# Altium PCB 1VAR_TOP.PcbDoc (part 1 of 4)
Units mm, origin at the board's own origin, x right, y up, seen from the top; angles counter-clockwise.
Board outline 200 x 140 mm, 5 copper layers (Top Layer, gnd, Case, PITANIE, Bottom Layer), stack 2.01 mm thick; 379 components, 284 nets, 1711 pads, 392 vias.
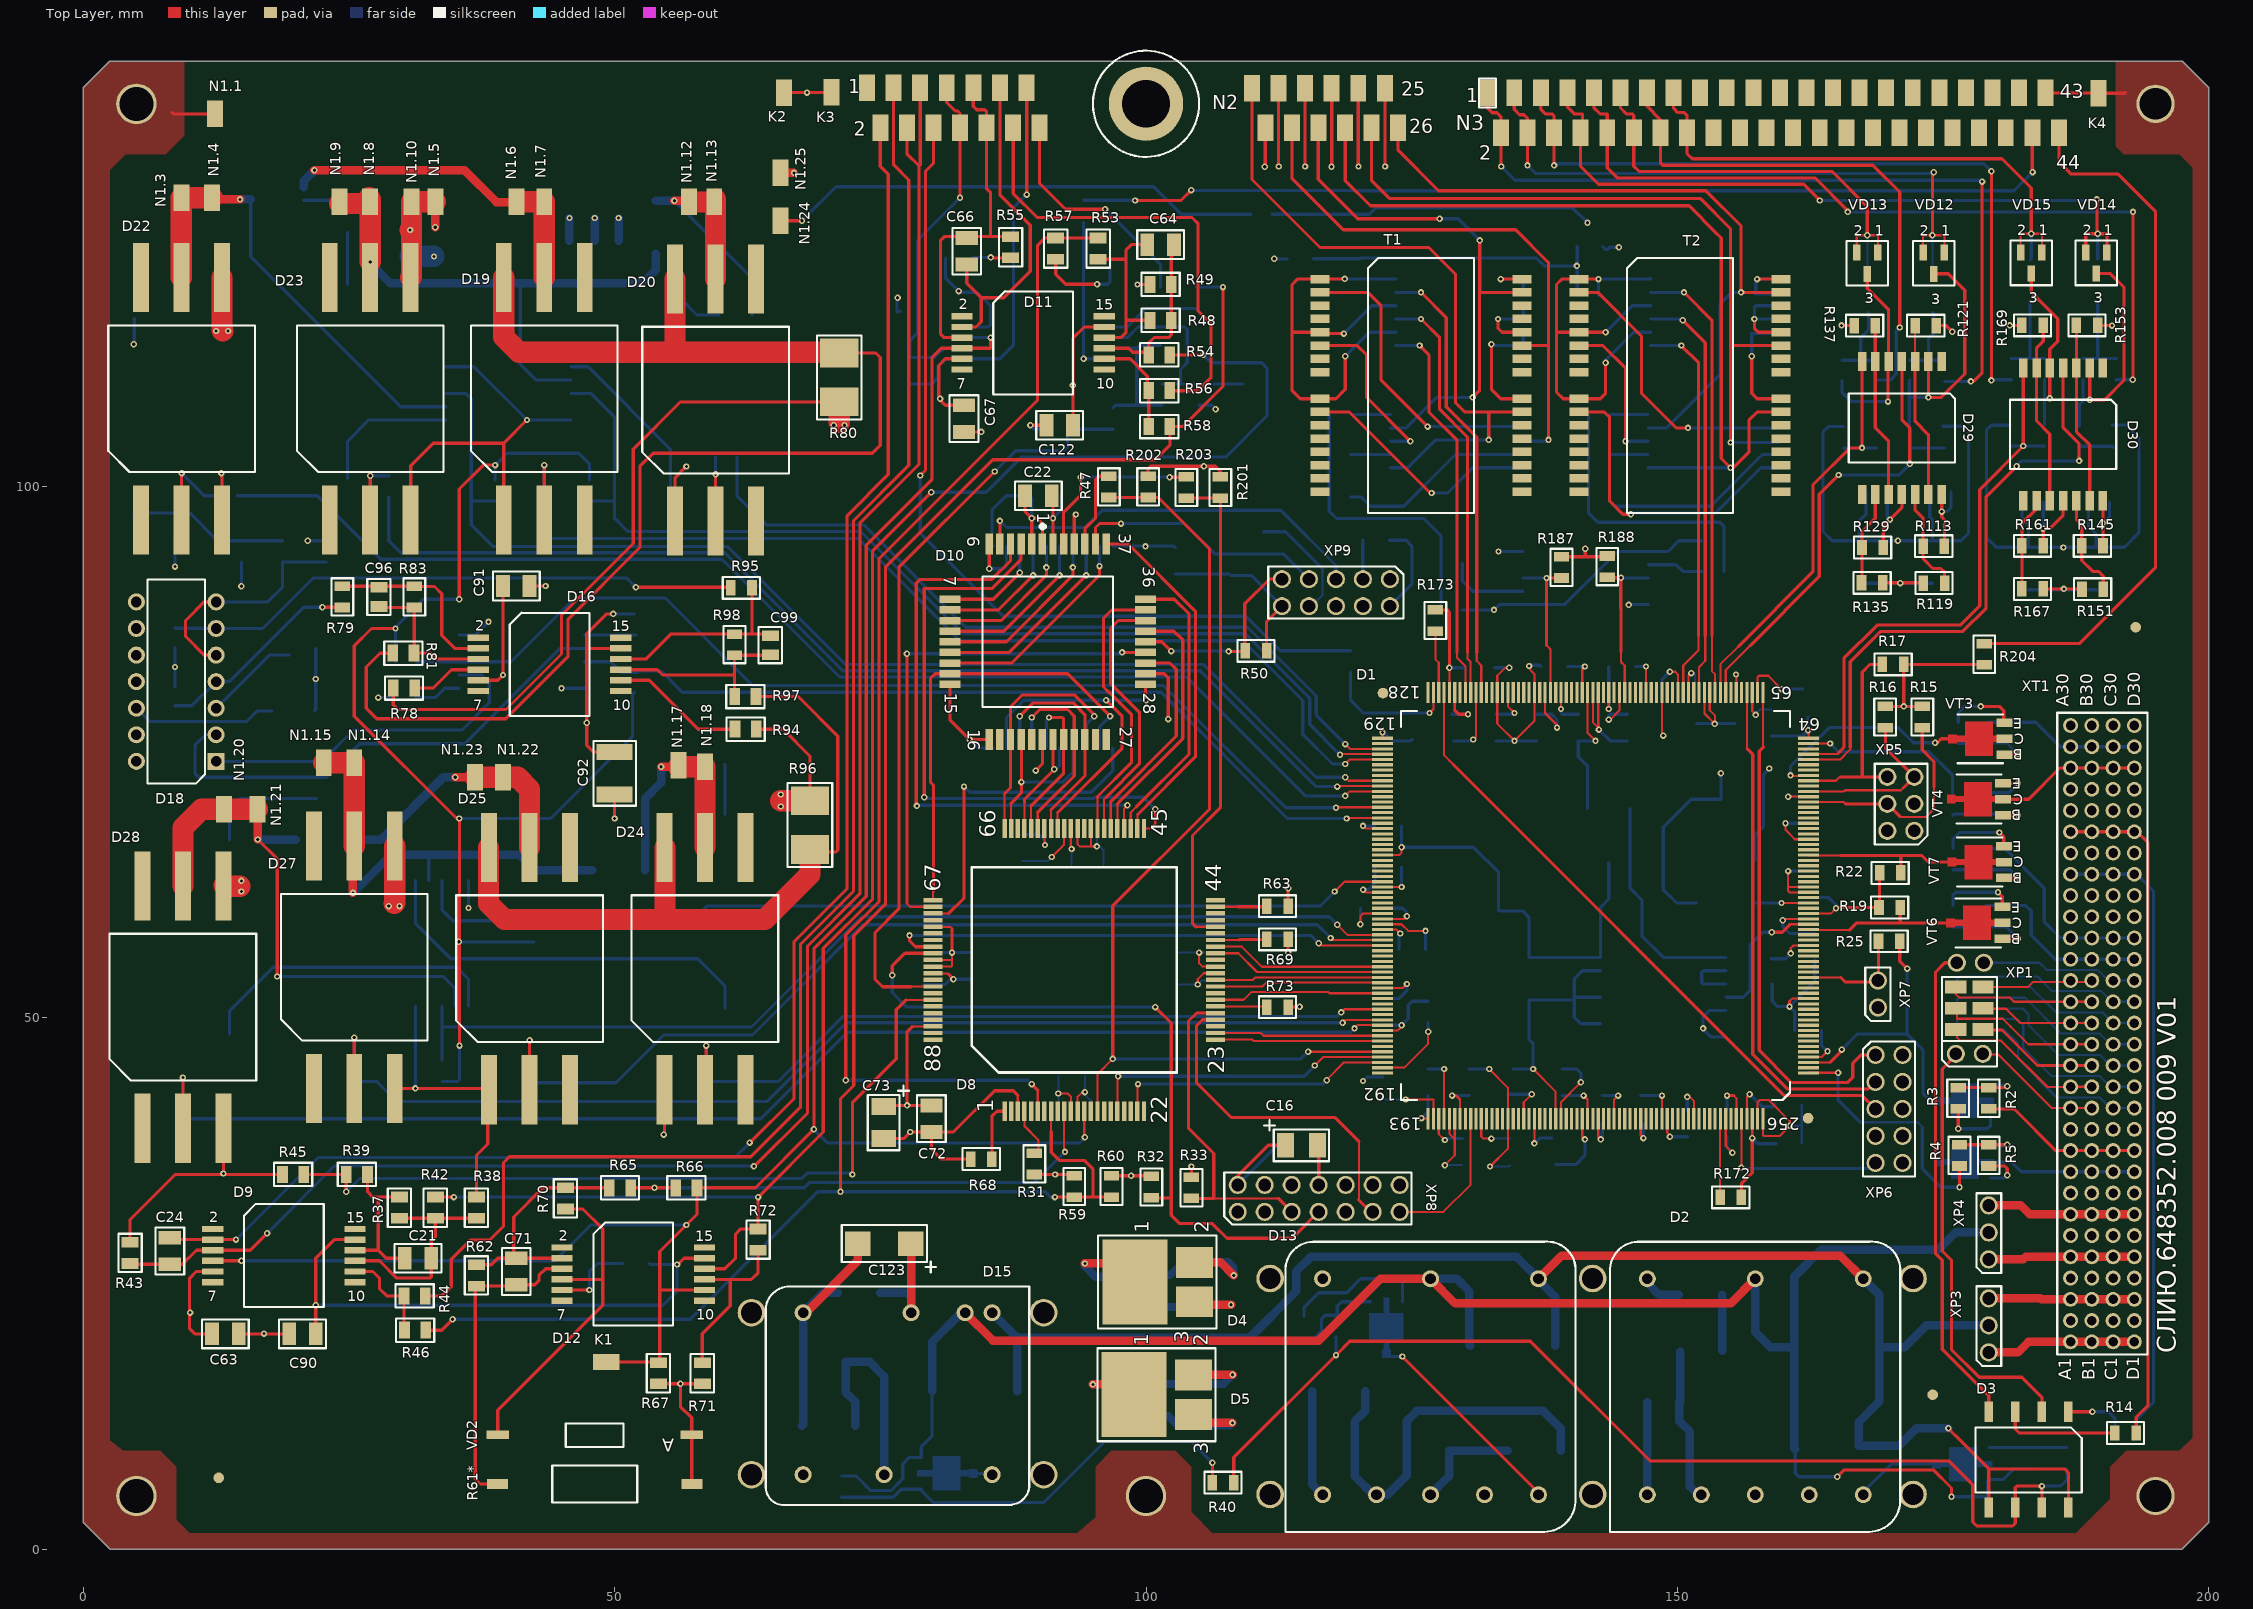
[diagram p0: Top Layer view]
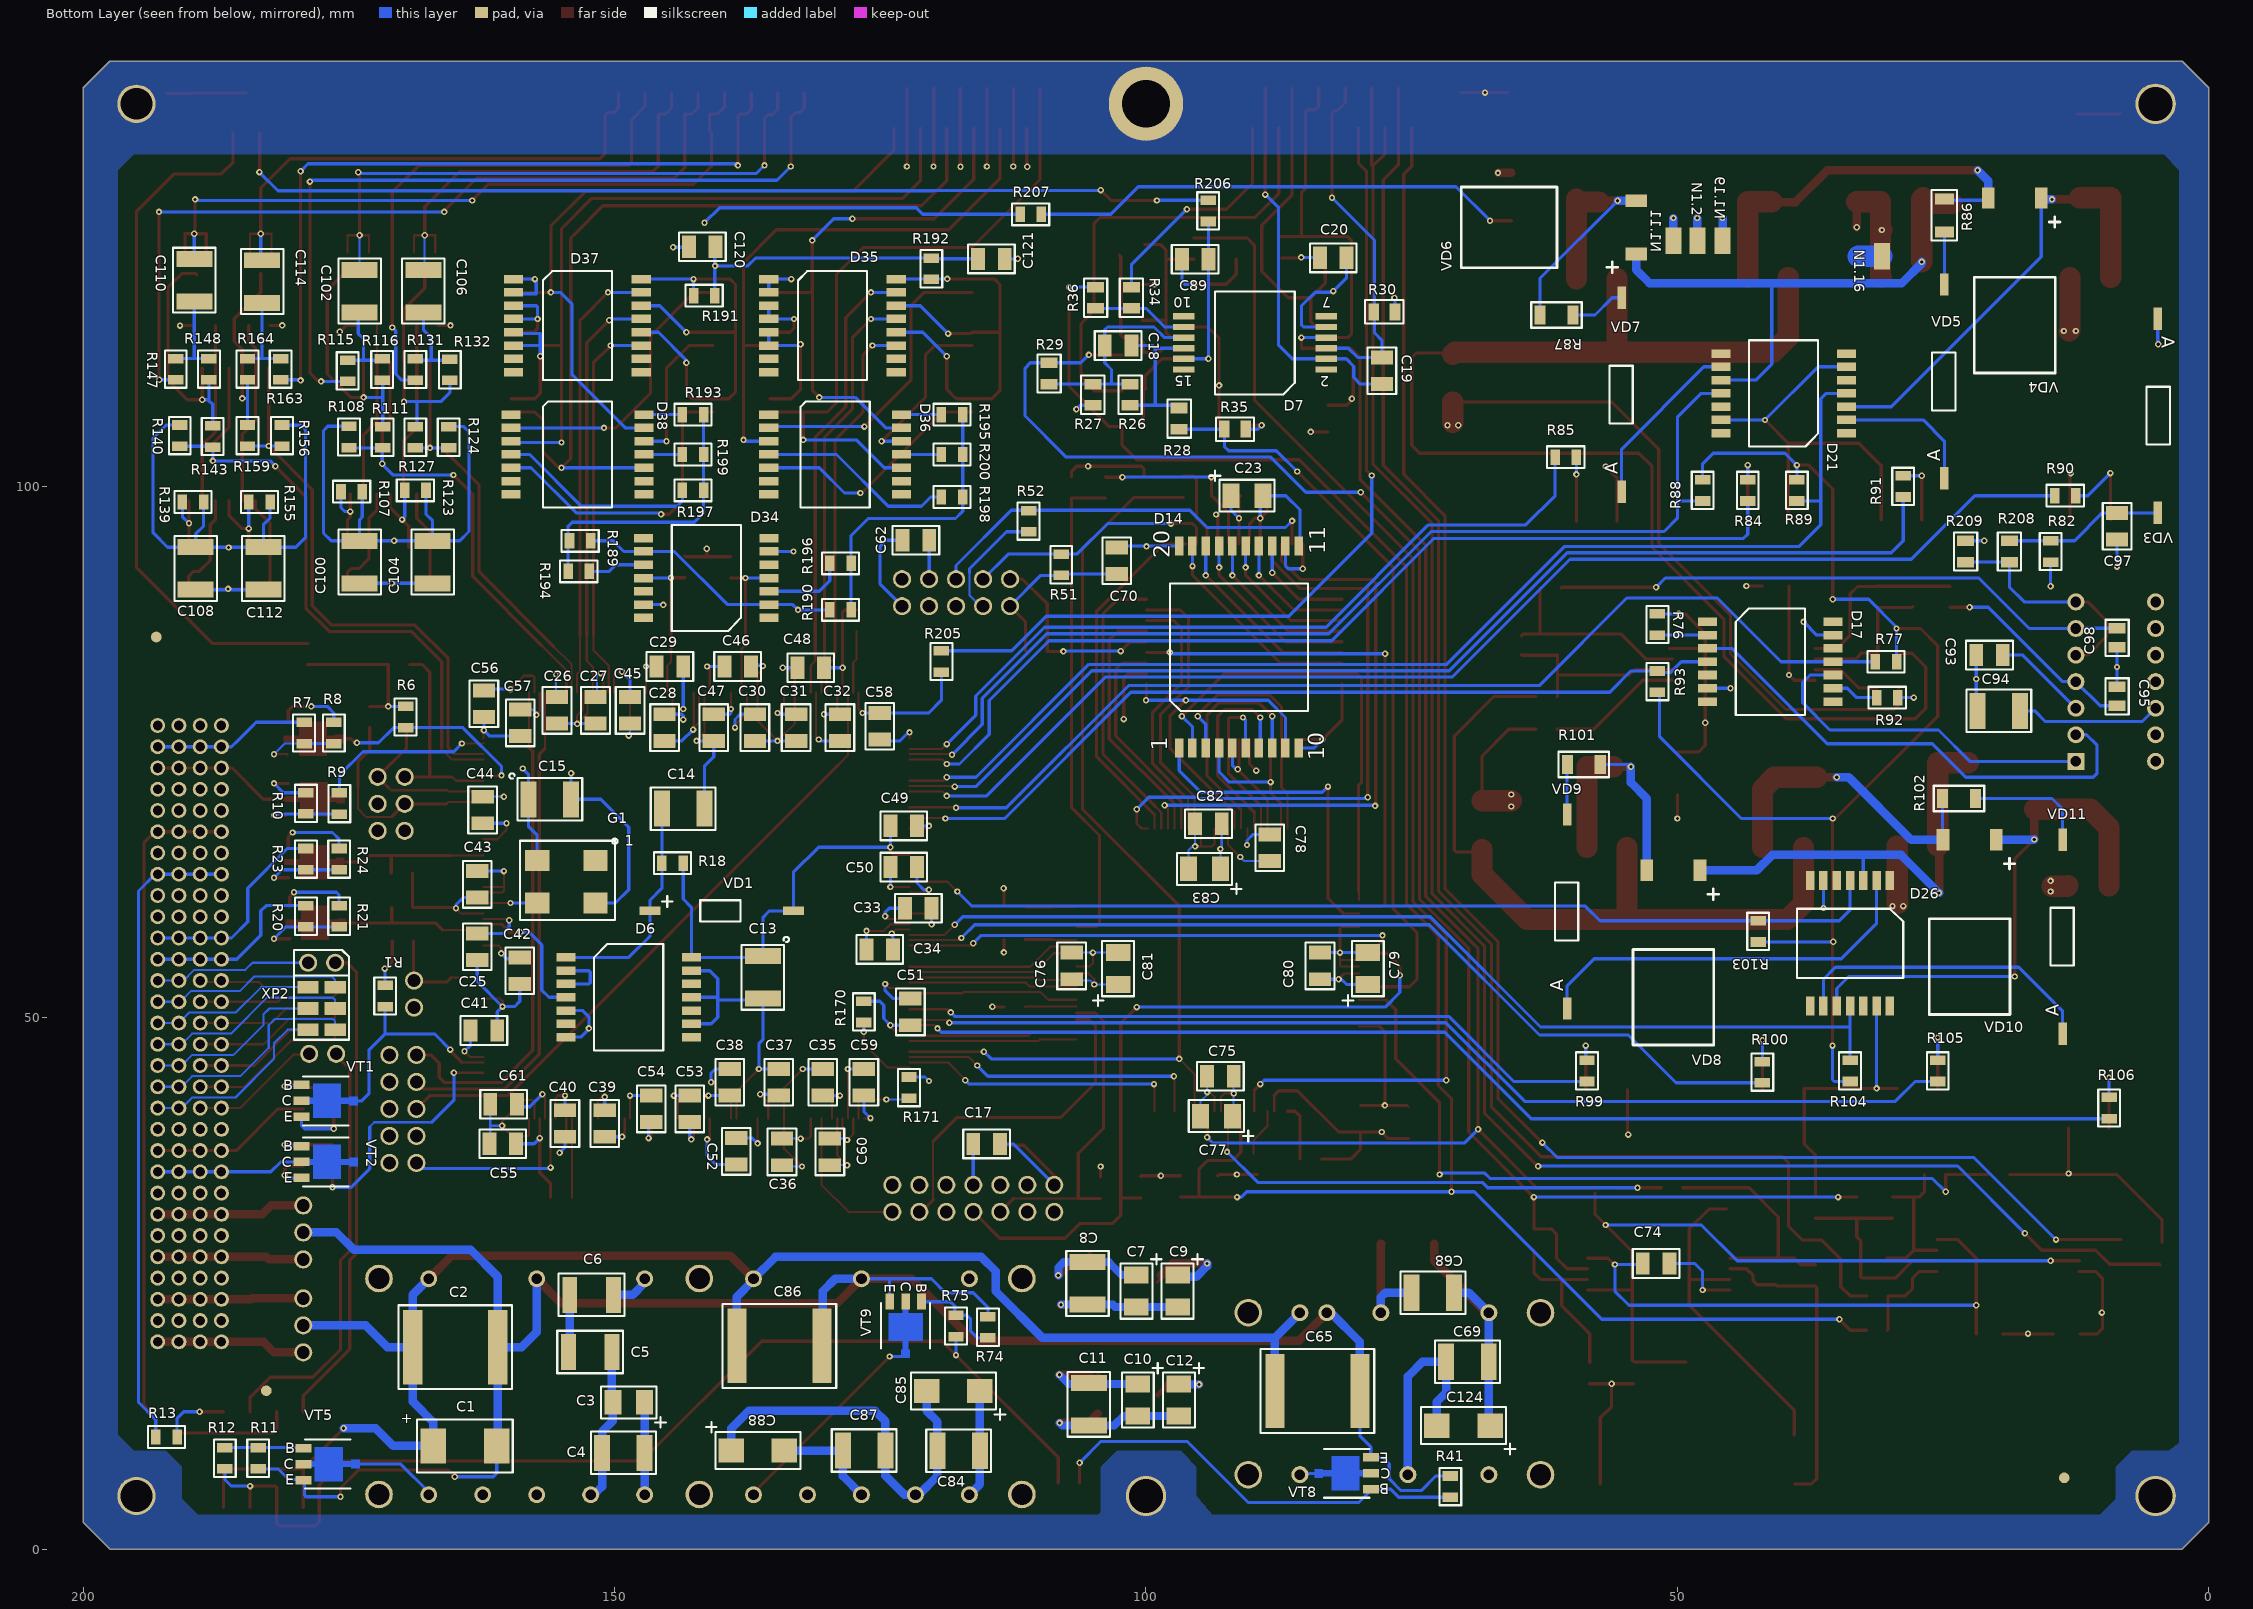
[diagram p1: Bottom Layer view, seen from below]
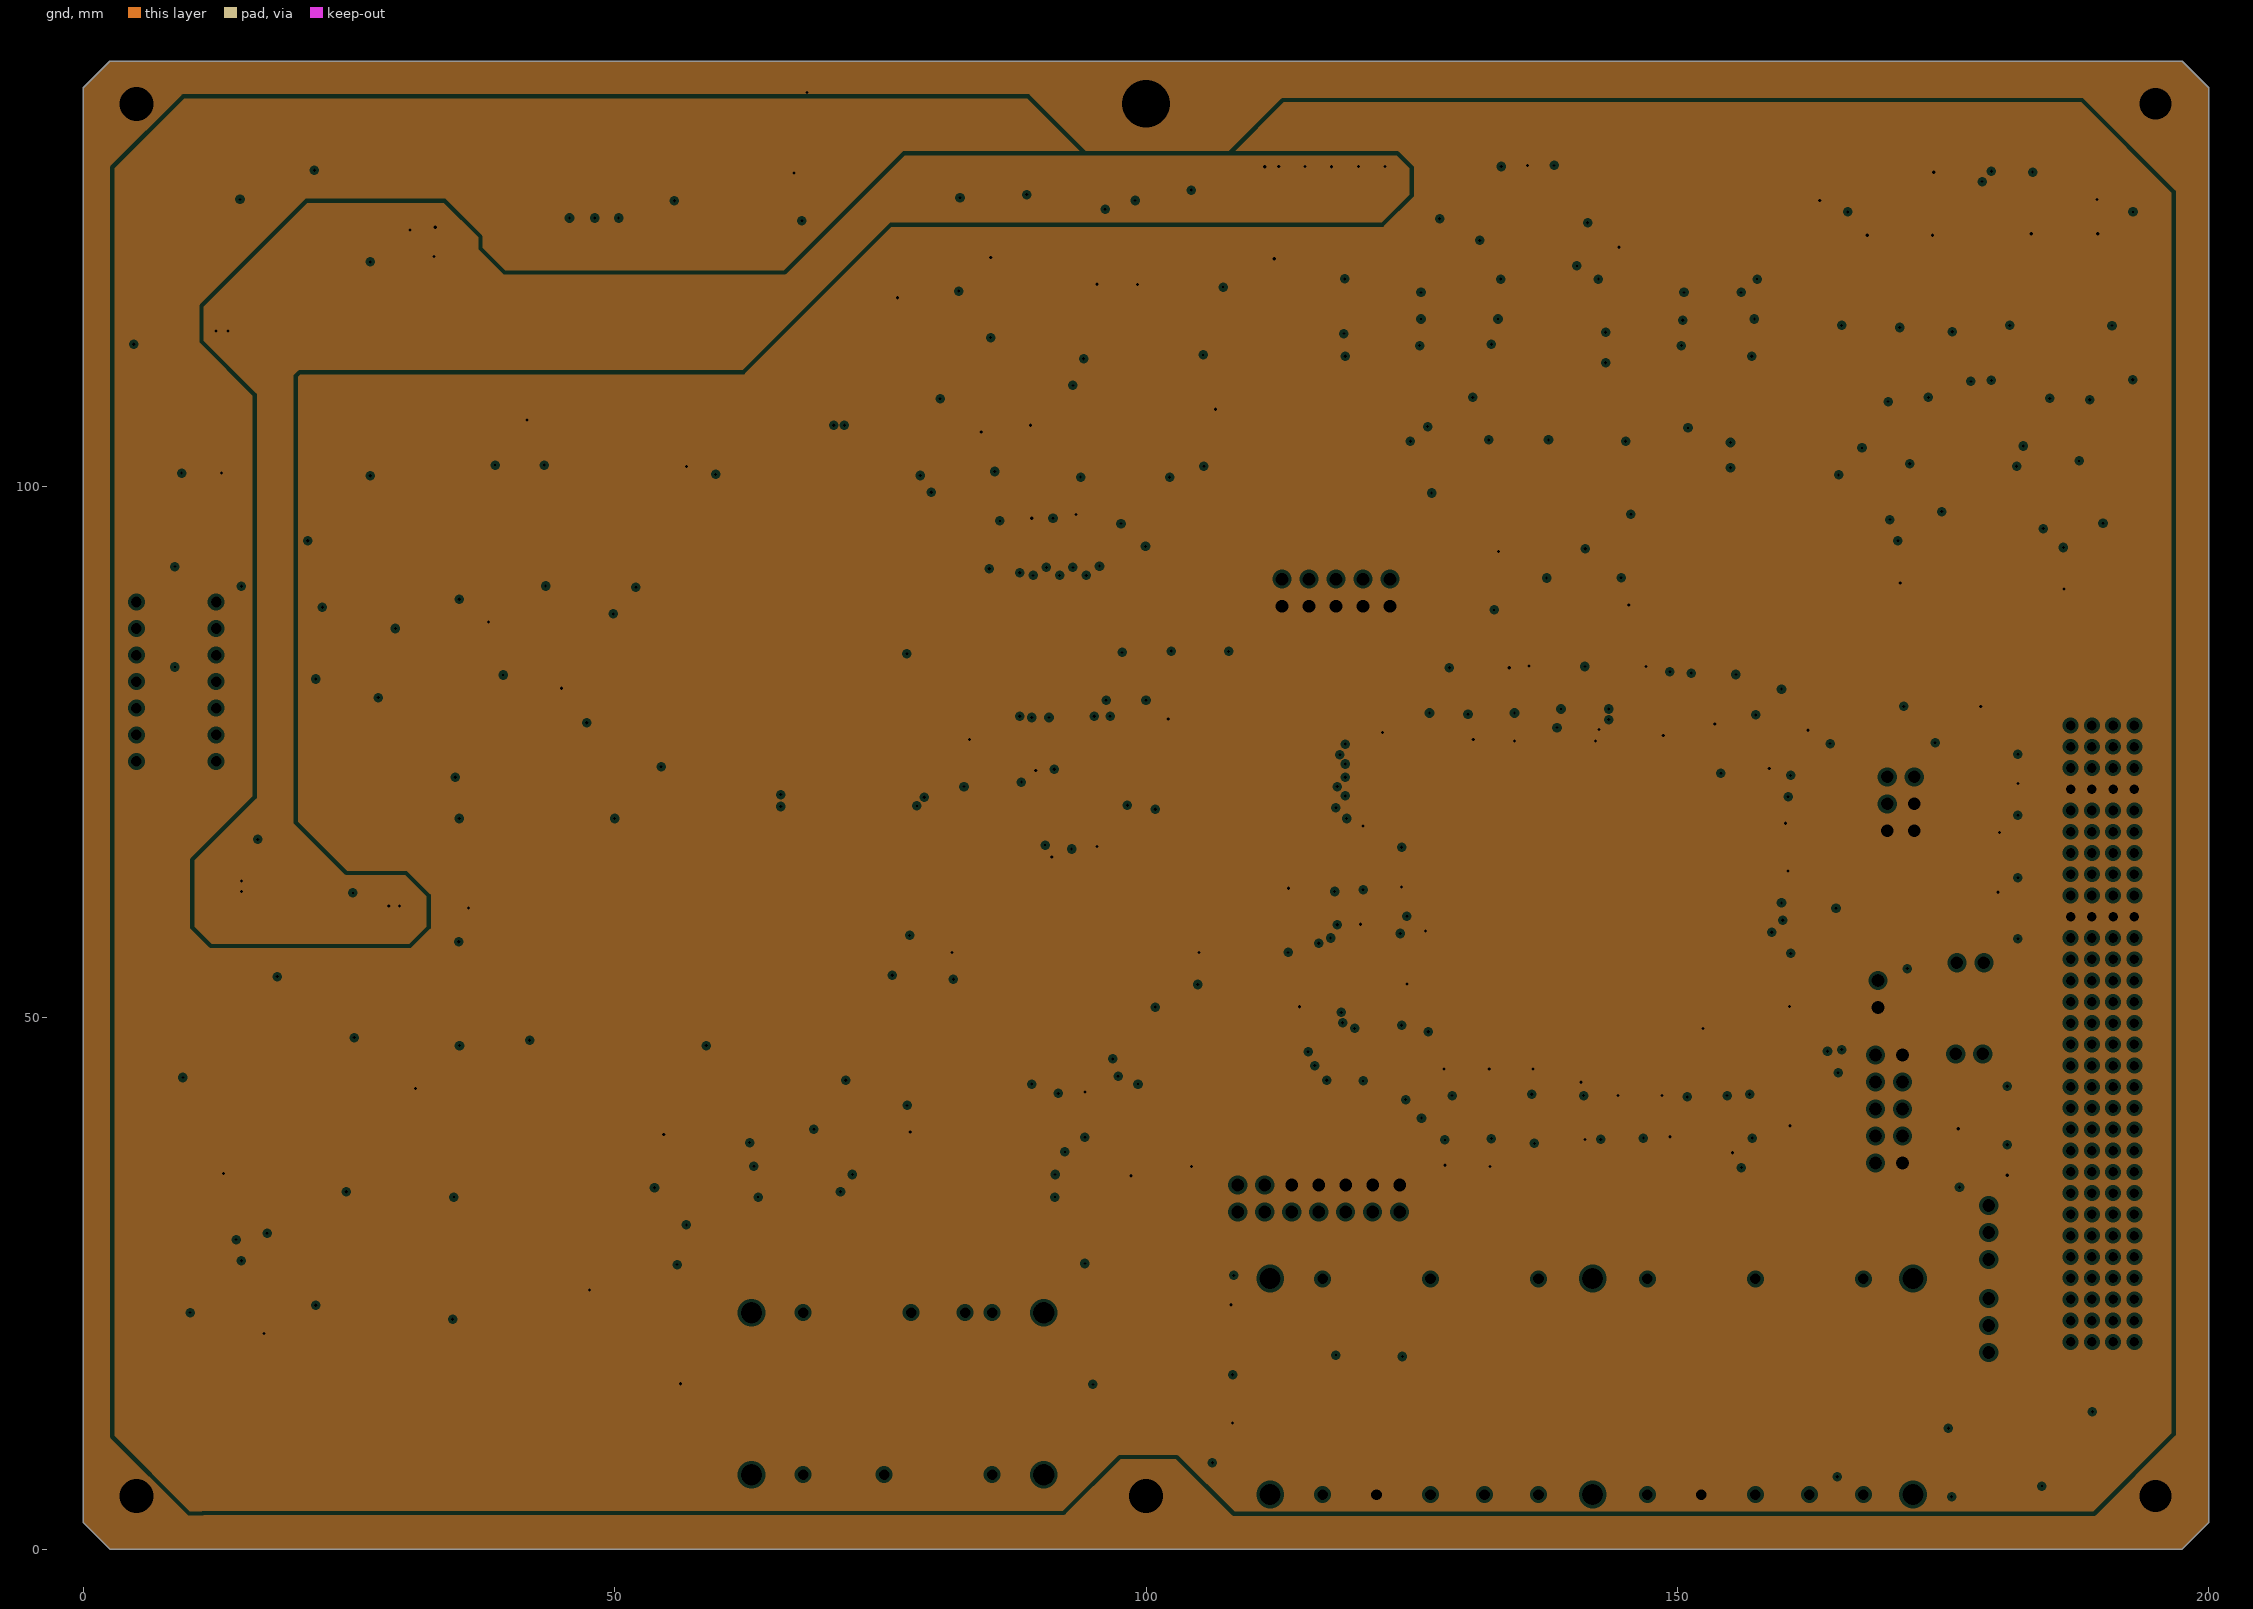
[diagram p2: gnd, clearances drawn from the general rule]